# KiCad board AMC_FMC_Carrier-PcbDoc.kicad_pcb (continued)
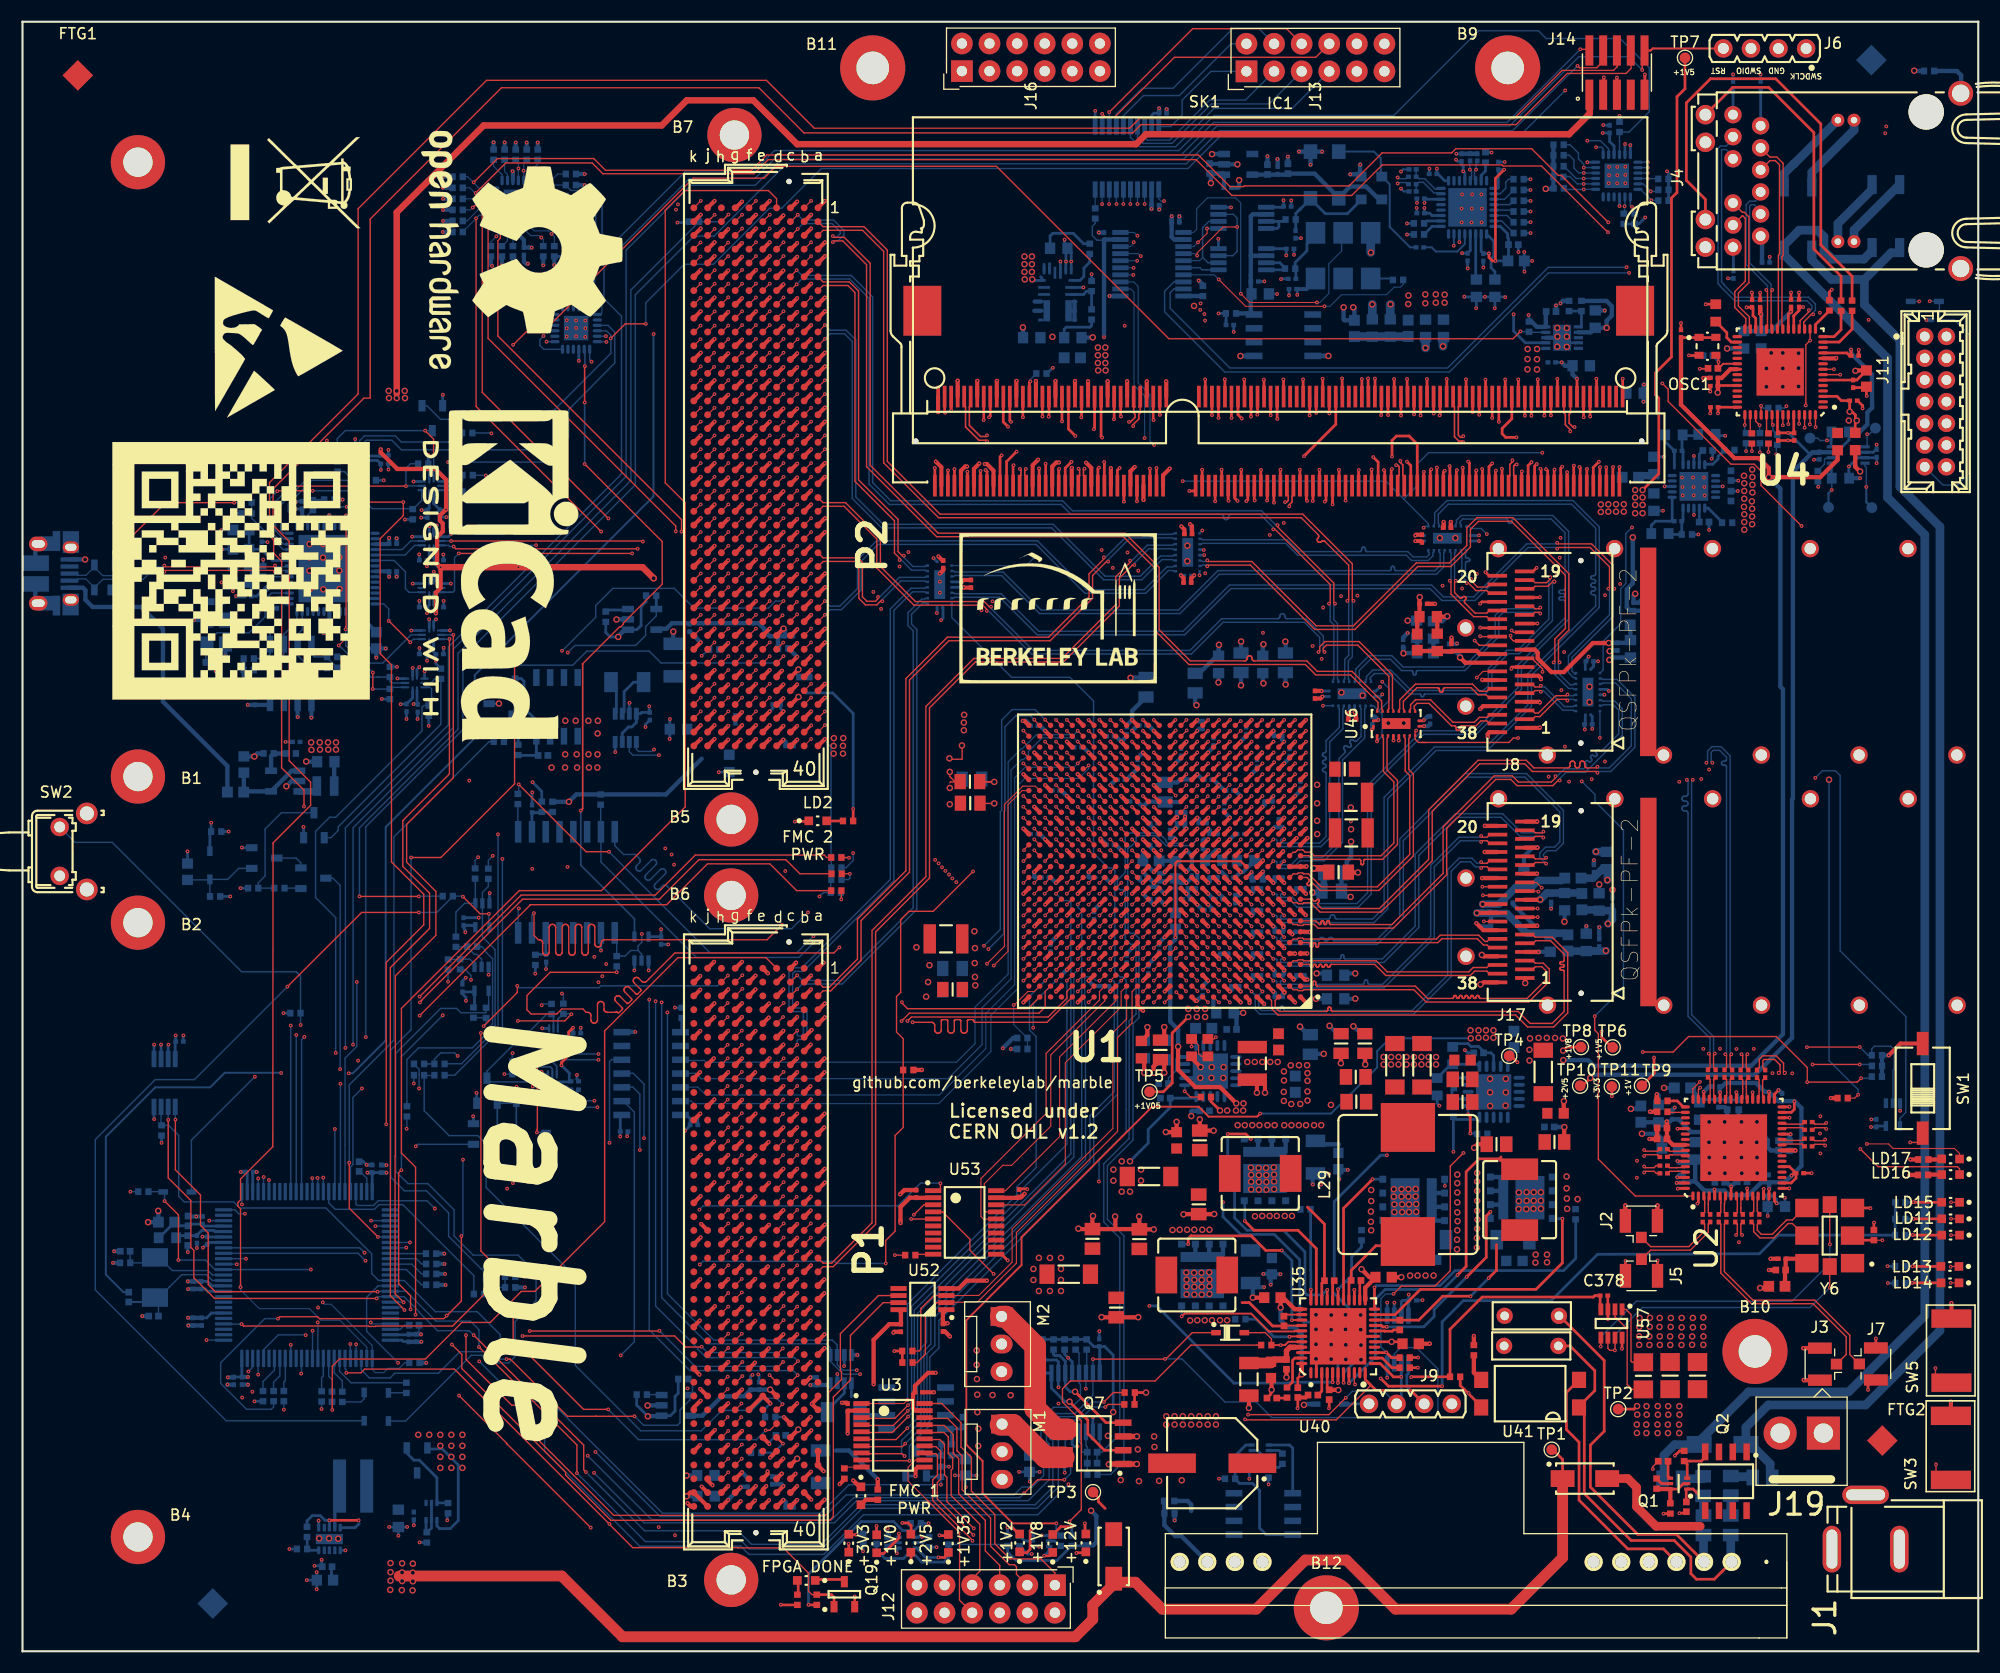
[diagram p0: board, top side]
## Routing (per net, layer and track width the routed paths; a pad name or vN(x,y) marks a point on that pad's centre or on a via; arc(x,y) is an arc through that point) (continued)
FMC2_HA15_N: length 58.5
  Top w0.11: U1.P25 v1(93.12,73.73)
  Top w0.112: P2.F17 v1(67.5,113.19)
  In9.Cu w0.1: v1(93.12,73.73) 92.76,74.09 92.01,74.09 92.01,74.09 89.91,74.09 85.37,78.63 84.9,78.63 77.13,86.39 77.13,111.26 74.72,113.68 67.99,113.68 v1(67.5,113.19)
FMC2_HA15_P: length 58.5
  Top w0.11: U1.R25 v1(93.12,74.73)
  Top w0.112: P2.F16 v1(67.5,114.46)
  In9.Cu w0.1: v1(67.5,114.46) 67.99,113.97 74.84,113.97 77.42,111.38 77.42,86.51 85.02,78.92 85.49,78.92 90.03,74.38 92.76,74.38 v1(93.12,74.73)
FMC2_HA16_N: length 59.1
  Top w0.11: U1.P26 92.13,72.74 v1(92.13,72.74)
  Top w0.112: P2.E16 v1(68.77,114.46)
  In7.Cu w0.1: v1(68.77,114.46) 69.26,114.95 70.22,114.95 70.57,114.6 70.57,112.78 70.9,112.45 73.92,112.45 74.29,112.08 74.29,106.29 79.4,101.18 79.4,99.4 81.07,97.74 81.07,88.6 81.72,87.94 81.72,78.33 86.98,73.07 88.14,73.07 88.15,73.09 88.49,73.09 88.51,73.07 91.8,73.07 v1(92.13,72.74)
FMC2_HA16_P: length 59.2
  Top w0.11: v1(92.17,73.74) 92.17,73.78 U1.R26
  Top w0.112: P2.E15 v1(68.77,115.73)
  In7.Cu w0.1: v1(68.77,115.73) 69.26,115.24 70.34,115.24 70.86,114.72 70.86,112.9 71.02,112.74 74.04,112.74 74.58,112.2 74.58,106.41 79.69,101.31 79.69,99.52 81.36,97.86 81.36,88.72 82.01,88.06 82.01,78.45 87.1,73.36 88.02,73.36 88.03,73.38 88.61,73.38 88.63,73.36 91.8,73.36 v1(92.17,73.74)
FMC2_HA17_CC_N: length 63.5
  Top w0.11: U1.R23 v1(95.12,74.73)
  Top w0.112: P2.K17 v1(62.42,113.19)
  In4.Cu w0.1: v1(62.42,113.19) 62.91,113.68 75.07,113.68 81.08,107.67 81.08,104.9 84.95,101.03 84.95,96.99 92.47,89.48 92.47,85.93 92.47,85.92 92.47,85.58 92.47,85.58 92.47,81.42 92.8,81.08 95.29,81.08 95.47,80.9 95.47,75.09 v1(95.12,74.73)
FMC2_HA17_CC_P: length 63.9
  Top w0.11: U1.R22 v1(96.12,74.73)
  Top w0.112: P2.K16 v1(62.42,114.46)
  In4.Cu w0.1: v1(96.12,74.73) 95.76,75.09 95.76,81.02 95.41,81.37 92.92,81.37 92.76,81.54 92.76,85.46 92.76,85.46 92.76,86.04 92.76,86.05 92.76,89.6 85.24,97.11 85.24,101.15 81.37,105.02 81.37,107.79 75.19,113.97 62.91,113.97 v1(62.42,114.46)
FMC2_HA18_N: length 68.3
  Top w0.11: 96.62,71.24 v1(96.12,70.74)
  Top w0.112: P2.J19 v1(63.69,110.65)
  In4.Cu w0.1: v1(63.69,110.65) 64.18,111.14 65.08,111.14 65.47,110.74 65.47,110.26 65.86,109.87 74.02,109.87 76.83,107.07 76.83,96.32 82.36,90.8 82.36,77.64 82.84,77.15 89.67,77.15 91.36,75.46 91.36,71.5 91.77,71.09 96.29,71.09 96.48,70.91 96.48,70.85 96.37,70.74 v1(96.12,70.74)
FMC2_HA18_P: length 68.8
  Top w0.11: 97.62,71.24 v1(97.12,70.74)
  Top w0.112: P2.J18 v1(63.69,111.92)
  In4.Cu w0.1: v1(63.69,111.92) 64.18,111.43 65.2,111.43 65.76,110.86 65.76,110.38 65.98,110.16 74.14,110.16 77.12,107.19 77.12,96.44 82.65,90.92 82.65,77.76 82.96,77.44 89.79,77.44 91.65,75.58 91.65,71.62 91.89,71.38 96.41,71.38 96.77,71.02 96.77,70.81 96.84,70.74 v1(97.12,70.74)
FMC2_HA19_N: length 65.3
  Top w0.11: U1.M20 v1(98.12,70.73)
  Top w0.112: P2.F20 v1(67.5,109.38)
  In7.Cu w0.1: v1(67.5,109.38) 67.99,109.87 72.88,109.87 73.07,109.67 73.07,104.08 73.55,103.6 75.28,103.6 78.29,100.59 78.29,98.71 79.95,97.05 79.95,96.26 79.53,95.84 79.53,87.98 80.47,87.04 80.47,77.91 82.51,75.87 82.51,74.83 83.9,73.44 84.34,73.44 86.69,71.09 98.29,71.09 98.29,71.09 98.29,70.91 v1(98.12,70.73)
FMC2_HA19_P: length 65.9
  Top w0.11: U1.N19 v1(99.12,71.73)
  Top w0.112: P2.F19 v1(67.5,110.65)
  In7.Cu w0.1: v1(99.12,71.73) 98.77,71.38 86.81,71.38 84.46,73.73 84.02,73.73 82.8,74.95 82.8,75.99 80.76,78.03 80.76,87.16 79.82,88.1 79.82,95.72 80.24,96.14 80.24,97.18 78.58,98.83 78.58,100.71 75.4,103.89 73.67,103.89 73.36,104.2 73.36,109.79 73,110.16 67.99,110.16 v1(67.5,110.65)
FMC2_HA20_N: length 58.2
  Top w0.11: U1.N23 v1(95.12,72.73)
  Top w0.112: P2.E19 v1(68.77,110.65)
  In9.Cu w0.1: v1(68.77,110.65) 69.26,111.14 74.97,111.14 75.88,110.23 75.88,86.16 88.96,73.09 91.95,73.09 91.96,73.09 92.3,73.09 92.3,73.09 94.76,73.09 v1(95.12,72.73)
FMC2_HA20_P: length 58.2
  Top w0.11: U1.P23 v1(95.12,73.73)
  Top w0.112: P2.E18 v1(68.77,111.92)
  In9.Cu w0.1: v1(95.12,73.73) 94.76,73.38 92.42,73.38 92.42,73.38 91.84,73.38 91.83,73.38 89.08,73.38 76.17,86.28 76.17,110.35 75.09,111.43 69.26,111.43 v1(68.77,111.92)
FMC2_HA21_N: length 63.2
  Top w0.11: 94.62,72.25 94.13,71.75
  Top w0.112: P2.K20 v1(62.42,109.38)
  In9.Cu w0.1: v1(62.42,109.38) 62.91,109.87 74.21,109.87 74.63,109.44 74.63,97.11 74.67,97.07 74.67,95.01 74.63,94.97 74.63,85.74 88.27,72.1 93.77,72.1 v1(94.12,71.75)
FMC2_HA21_P: length 63.2
  Top w0.11: v1(94.12,72.73) 94.62,73.23 94.62,73.25
  Top w0.112: P2.K19 v1(62.42,110.65)
  In9.Cu w0.1: v1(94.12,72.73) 93.77,72.39 88.39,72.39 74.92,85.86 74.92,94.85 74.96,94.89 74.96,97.19 74.92,97.23 74.92,109.56 74.33,110.16 62.91,110.16 v1(62.42,110.65)
FMC2_HA22_N: length 59.5
  Top w0.11: 92.61,71.21 v1(92.13,70.73) ; U1.M26 92.62,71.22
  Top w0.112: P2.J22 v1(63.69,106.84)
  In9.Cu w0.1: v1(63.69,106.84) 64.18,107.33 71.47,107.33 71.81,106.98 71.81,90.68 71.9,90.59 71.9,87.62 71.81,87.53 71.81,82.99 73.85,80.95 76.78,80.95 86.65,71.08 91.78,71.08 v1(92.13,70.73)
FMC2_HA22_P: length 59.5
  Top w0.11: 92.62,72.21 v1(92.15,71.75) ; U1.N26 92.61,72.23
  Top w0.112: P2.J21 v1(63.69,108.11)
  In9.Cu w0.1: v1(63.69,108.11) 64.18,107.62 71.59,107.62 72.1,107.1 72.1,90.8 72.19,90.71 72.19,87.5 72.1,87.41 72.1,83.11 73.97,81.24 76.9,81.24 86.77,71.37 91.78,71.37 v1(92.15,71.75)
FMC2_HA23_N: length 61.7
  Top w0.11: v1(93.12,69.73) 93.12,69.73 U1.L25
  Top w0.112: P2.K23 v1(62.42,105.57)
  In9.Cu w0.1: v1(62.42,105.57) 62.91,106.06 70.42,106.06 70.57,105.9 70.57,81.73 73.01,79.29 76.03,79.29 85.23,70.09 92.76,70.09 v1(93.12,69.73)
FMC2_HA23_P: length 61.7
  Top w0.11: v1(93.12,70.73) 93.12,70.73 U1.M25
  Top w0.112: P2.K22 v1(62.42,106.84)
  In9.Cu w0.1: v1(93.12,70.73) 92.76,70.38 85.35,70.38 76.15,79.58 73.13,79.58 70.86,81.85 70.86,106.02 70.54,106.35 62.91,106.35 v1(62.42,106.84)
FMC2_HB00_CC_N: length 0.9
  Top w0.112: P2.K26 v1(62.42,101.76)
FMC2_HB00_CC_P: length 0.9
  Top w0.112: P2.K25 v1(62.42,103.03)
FMC2_HB01_N: length 0.9
  Top w0.112: P2.J25 v1(63.69,103.03)
FMC2_HB01_P: length 0.9
  Top w0.112: P2.J24 v1(63.69,104.3)
FMC2_HB02_N: length 0.9
  Top w0.112: P2.F23 v1(67.5,105.57)
FMC2_HB02_P: length 0.9
  Top w0.112: P2.F22 v1(67.5,106.84)
FMC2_HB03_N: length 0.9
  Top w0.112: P2.E22 v1(68.77,106.84)
FMC2_HB03_P: length 0.9
  Top w0.112: P2.E21 v1(68.77,108.11)
FMC2_HB04_N: length 0.9
  Top w0.112: P2.F26 v1(67.5,101.76)
FMC2_HB04_P: length 0.9
  Top w0.112: P2.F25 v1(67.5,103.03)
FMC2_HB05_N: length 0.9
  Top w0.112: P2.E25 v1(68.77,103.03)
FMC2_HB05_P: length 0.9
  Top w0.112: P2.E24 v1(68.77,104.3)
FMC2_HB06_CC_N: length 0.9
  Top w0.112: P2.K29 v1(62.42,97.95)
FMC2_HB06_CC_P: length 0.9
  Top w0.112: P2.K28 v1(62.42,99.22)
FMC2_HB07_N: length 0.9
  Top w0.112: P2.J28 v1(63.69,99.22)
FMC2_HB07_P: length 0.9
  Top w0.112: P2.J27 v1(63.69,100.49)
FMC2_HB08_N: length 0.9
  Top w0.112: P2.F29 v1(67.5,97.95)
FMC2_HB08_P: length 0.9
  Top w0.112: P2.F28 v1(67.5,99.22)
FMC2_HB09_N: length 0.9
  Top w0.112: P2.E28 v1(68.77,99.22)
FMC2_HB09_P: length 0.9
  Top w0.112: P2.E27 v1(68.77,100.49)
FMC2_HB10_N: length 0.9
  Top w0.112: P2.K32 v1(62.42,94.14)
FMC2_HB10_P: length 0.9
  Top w0.112: P2.K31 v1(62.42,95.41)
FMC2_HB11_N: length 0.9
  Top w0.112: P2.J31 v1(63.69,95.41)
FMC2_HB11_P: length 0.9
  Top w0.112: P2.J30 v1(63.69,96.68)
FMC2_HB12_N: length 0.9
  Top w0.112: P2.F32 v1(67.5,94.14)
FMC2_HB12_P: length 0.9
  Top w0.112: P2.F31 v1(67.5,95.41)
FMC2_HB13_N: length 0.9
  Top w0.112: P2.E31 v1(68.77,95.41)
FMC2_HB13_P: length 0.9
  Top w0.112: P2.E30 v1(68.77,96.68)
FMC2_HB15_N: length 0.9
  Top w0.112: P2.J34 v1(63.69,91.6)
FMC2_HB15_P: length 0.9
  Top w0.112: P2.J33 v1(63.69,92.87)
FMC2_HB16_N: length 0.9
  Top w0.112: P2.F35 v1(67.5,90.33)
FMC2_HB16_P: length 0.9
  Top w0.112: P2.F34 v1(67.5,91.6)
FMC2_HB17_CC_N: length 0.9
  Top w0.112: P2.K38 v1(62.42,86.52)
FMC2_HB17_CC_P: length 0.9
  Top w0.112: P2.K37 v1(62.42,87.79)
FMC2_HB18_N: length 0.9
  Top w0.112: P2.J37 v1(63.69,87.79)
FMC2_HB18_P: length 0.9
  Top w0.112: P2.J36 v1(63.69,89.06)
FMC2_HB19_N: length 0.9
  Top w0.112: P2.E34 v1(68.77,91.6)
FMC2_HB19_P: length 0.9
  Top w0.112: P2.E33 v1(68.77,92.87)
FMC2_HB20_N: length 0.9
  Top w0.112: P2.F38 v1(67.5,86.52)
FMC2_HB20_P: length 0.9
  Top w0.112: P2.F37 v1(67.5,87.79)
FMC2_HB21_N: length 0.9
  Top w0.112: P2.E37 v1(68.77,87.79)
FMC2_HB21_P: length 0.9
  Top w0.112: P2.E36 v1(68.77,89.06)
FMC2_LA_0_N: length 74
  Top w0.11: U1.AA22 v1(96.12,80.73)
  Top w0.112: P2.G7 v1(66.23,125.89)
  In2.Cu w0.1: v1(96.12,80.73) 96.47,80.38 97.29,80.38 97.47,80.56 97.47,87.26 92.07,92.67 92.07,102.25 92.78,102.96 92.78,110.27 93.21,110.7 93.21,113.71 92.05,114.87 92.05,119.11 84.78,126.38 66.72,126.38 v1(66.23,125.89)
FMC2_LA_0_P: length 74.9
  Top w0.11: U1.Y22 v1(96.12,79.73)
  Top w0.112: P2.G6 v1(66.23,127.16)
  In2.Cu w0.1: v1(96.12,79.73) 96.47,80.09 97.41,80.09 97.76,80.44 97.76,87.38 92.36,92.79 92.36,102.13 93.07,102.84 93.07,110.15 93.5,110.58 93.5,113.83 92.34,114.99 92.34,119.23 84.9,126.67 66.72,126.67 v1(66.23,127.16)
FMC2_LA_1_N: length 67.1
  Top w0.11: U1.AB24 v1(94.12,81.73)
  Top w0.112: P2.D9 v1(70.04,123.35)
  In2.Cu w0.1: v1(94.12,81.73) 94.48,81.37 96.29,81.37 96.47,81.55 96.47,86.82 90.87,92.43 90.87,108.12 90.47,108.53 90.47,111.37 91.37,112.27 91.37,113.98 90.46,114.89 90.46,118.35 84.97,123.84 70.53,123.84 v1(70.04,123.35)
FMC2_LA_1_P: length 67.6
  Top w0.11: U1.AA23 v1(95.12,80.73)
  Top w0.112: P2.D8 v1(70.04,124.62)
  In2.Cu w0.1: v1(95.12,80.73) 94.91,80.94 94.91,81.05 94.94,81.08 96.41,81.08 96.76,81.43 96.76,86.94 91.16,92.55 91.16,108.24 90.76,108.65 90.76,111.25 91.66,112.15 91.66,114.1 90.75,115.01 90.75,118.47 85.09,124.13 70.53,124.13 v1(70.04,124.62)
FMC2_LA_2_N: length 66.7
  Top w0.11: U1.AF22 v1(96.12,85.73)
  Top w0.112: P2.H8 64.32,124 v1(64.95,124.63)
  In2.Cu w0.1: v1(96.12,85.73) 96.12,85.42 96.07,85.38 95.95,85.38 95.76,85.56 95.76,86.58 90.07,92.28 90.07,95.44 90.26,95.63 90.26,96.66 90.07,96.85 90.07,108.12 89.6,108.58 89.6,116.03 88.97,116.66 88.97,117.63 83.71,122.88 69.78,122.88 69.52,123.14 69.52,123.77 69.22,124.07 64.58,124.07 64.43,124.23 64.43,124.86 64.68,125.11 64.72,125.11 64.95,124.88 v1(64.95,124.63)
FMC2_LA_2_P: length 67.4
  Top w0.11: U1.AE22 v1(96.12,84.73)
  Top w0.112: P2.H7 v1(64.96,125.89)
  In2.Cu w0.1: v1(96.12,84.73) 95.47,85.38 95.47,86.46 89.78,92.16 89.78,95.56 89.97,95.75 89.97,96.54 89.78,96.73 89.78,108 89.31,108.46 89.31,115.91 88.68,116.54 88.68,117.51 83.59,122.59 69.66,122.59 69.23,123.02 69.23,123.65 69.1,123.78 64.46,123.78 64.14,124.11 64.14,125.07 v1(64.96,125.89)
FMC2_LA_3_N: length 60
  Top w0.11: 92.61,84.25 v1(92.11,84.75)
  Top w0.112: P2.G10 v1(66.23,122.08)
  In2.Cu w0.1: v1(92.11,84.75) 92.11,84.48 92.2,84.39 92.56,84.39 92.71,84.55 92.71,85.13 92.45,85.4 92.45,86.3 86.71,92.04 86.71,97.07 87.14,97.5 87.14,105.47 86.19,106.42 86.19,114.81 81.03,119.97 70.99,119.97 70.51,120.45 70.51,121.04 70.2,121.35 68.23,121.35 67.95,121.64 67.95,122.29 67.67,122.57 66.72,122.57 v1(66.23,122.08)
FMC2_LA_3_P: length 61
  Top w0.11: 92.61,83.23 v1(92.11,83.73)
  Top w0.112: P2.G9 v1(66.23,123.35)
  In2.Cu w0.1: v1(66.23,123.35) 66.72,122.86 67.79,122.86 68.24,122.41 68.24,121.76 68.35,121.64 70.32,121.64 70.81,121.16 70.81,120.57 71.11,120.26 81.15,120.26 86.48,114.93 86.48,106.54 87.43,105.59 87.43,97.38 87,96.95 87,92.16 92.74,86.42 92.74,85.52 93,85.25 93,84.43 92.68,84.1 92.2,84.1 92.11,84.01 v1(92.11,83.73)
FMC2_LA_4_N: length 73
  Top w0.11: U1.W21 97.12,78.73 v1(97.12,78.73)
  Top w0.112: P2.H11 64.34,120.17 v1(64.95,120.78)
  In9.Cu w0.1: v1(64.95,120.78) 64.95,121.17 64.86,121.26 64.57,121.26 64.16,121.67 64.16,123.53 64.81,124.18 77.1,124.18 83.83,117.45 83.83,113.58 85.18,112.23 85.18,110.59 86.48,109.3 86.48,104.35 87.45,103.38 87.45,95.82 95.76,87.51 95.76,78.58 95.97,78.38 96.76,78.38 v1(97.12,78.73)
FMC2_LA_4_P: length 72
  Top w0.11: U1.V21 97.12,77.73 v1(97.12,77.73)
  Top w0.112: v1(64.95,122.03) 64.36,121.44 P2.H10
  In9.Cu w0.1: v1(64.95,122.03) 64.95,121.65 64.85,121.55 64.69,121.55 64.45,121.79 64.45,123.4 64.93,123.89 76.98,123.89 83.54,117.33 83.54,113.46 84.89,112.11 84.89,110.47 86.19,109.18 86.19,104.23 87.16,103.26 87.16,95.7 95.47,87.39 95.47,78.46 95.85,78.09 96.76,78.09 v1(97.12,77.73)
FMC2_LA_5_N: length 59.7
  Top w0.11: 92.61,82.24 92.6,82.24 v1(92.11,82.73)
  Top w0.112: v1(70.04,119.54) P2.D12 69.4,118.93
  In9.Cu w0.1: v1(92.11,82.73) 92.11,82.45 92.19,82.38 93.35,82.38 93.48,82.5 93.48,86.25 92.68,87.05 87.17,87.05 85.36,88.86 85.36,94.85 84.98,95.23 84.98,101.96 83.16,103.78 83.16,109.59 83.66,110.08 83.66,111.96 82.26,113.36 82.26,116.79 79.03,120.03 70.53,120.03 v1(70.04,119.54)
FMC2_LA_5_P: length 60.6
  Top w0.11: 92.61,81.23 v1(92.11,81.73)
  Top w0.112: P2.D11 v1(70.04,120.81)
  In9.Cu w0.1: v1(70.04,120.81) 70.53,120.32 79.15,120.32 82.55,116.91 82.55,113.48 83.95,112.08 83.95,109.96 83.45,109.47 83.45,103.9 85.27,102.08 85.27,95.35 85.65,94.97 85.65,88.98 87.29,87.34 92.8,87.34 93.77,86.37 93.77,82.38 93.47,82.09 92.19,82.09 92.11,82.01 v1(92.11,81.73)
FMC2_LA_6_N: length 56.9
  Top w0.11: U1.AD24 v1(94.12,83.73)
  Top w0.112: 70.7,120.15 v1(71.33,120.78)
  In2.Cu w0.1: v1(94.12,83.73) 94.47,84.09 94.47,86 88.48,91.99 88.48,94.45 87.58,95.35 87.58,96.32 88.48,97.22 88.48,107.3 87.39,108.39 87.39,115.84 87.1,116.14 87.1,117.56 83.39,121.27 71.82,121.27 v1(71.33,120.78)
FMC2_LA_6_P: length 57.4
  Top w0.11: U1.AD23 v1(95.12,83.73)
  Top w0.112: 70.7,121.42 v1(71.33,122.05)
  In2.Cu w0.1: v1(95.12,83.73) 94.76,84.09 94.76,86.12 88.77,92.11 88.77,94.57 87.87,95.47 87.87,96.2 88.77,97.1 88.77,107.42 87.68,108.51 87.68,115.96 87.39,116.26 87.39,117.68 83.51,121.56 71.82,121.56 v1(71.33,122.05)
FMC2_LA_7_N: length 67.1
  Top w0.11: U1.AC22 v1(96.12,82.73)
  Top w0.112: P2.H14 v1(64.96,117)
  In2.Cu w0.1: v1(64.96,117) 64.96,117.35 64.84,117.47 64.43,117.47 64.11,117.79 64.11,118.57 64.61,119.06 65.46,119.06 65.79,118.73 65.79,118.08 66.12,117.75 78.09,117.75 83.85,111.99 83.85,110.33 83.29,109.77 83.29,104.5 85.18,102.6 85.18,85.13 86.08,84.22 88.56,84.22 90.41,82.38 95.76,82.38 v1(96.12,82.73)
FMC2_LA_7_P: length 66.1
  Top w0.11: U1.AB22 v1(96.12,81.73)
  Top w0.112: P2.H13 64.35,117.63 v1(64.95,118.23)
  In2.Cu w0.1: v1(64.95,118.23) 64.95,117.89 64.82,117.76 64.55,117.76 64.4,117.91 64.4,118.45 64.73,118.77 65.34,118.77 65.5,118.61 65.5,117.96 66,117.46 77.97,117.46 83.56,111.87 83.56,110.45 83,109.89 83,104.38 84.89,102.48 84.89,85.01 85.96,83.93 88.44,83.93 90.29,82.09 95.76,82.09 v1(96.12,81.73)
FMC2_LA_8_N: length 59.1
  Top w0.11: U1.AC24 v1(94.12,82.73)
  Top w0.112: P2.G13 v1(66.23,118.27)
  In2.Cu w0.1: v1(94.12,82.73) 94.42,82.73 94.47,82.78 94.47,82.88 94.27,83.09 90.52,83.09 87.9,85.71 87.9,86.41 85.74,88.56 85.74,103.52 84.47,104.79 84.47,112.55 78.27,118.76 66.72,118.76 v1(66.23,118.27)
FMC2_LA_8_P: length 59.6
  Top w0.11: U1.AC23 v1(95.12,82.73)
  Top w0.112: P2.G12 v1(66.23,119.54)
  In2.Cu w0.1: v1(95.12,82.73) 94.82,82.73 94.76,82.78 94.76,83 94.39,83.38 90.64,83.38 88.19,85.83 88.19,86.53 86.03,88.68 86.03,103.64 84.76,104.91 84.76,112.67 78.39,119.05 66.72,119.05 v1(66.23,119.54)
FMC2_LA_9_N: length 57
  Top w0.11: 92.61,77.24 v1(92.11,77.74)
  Top w0.112: P2.D15 v1(70.04,115.73)
  In9.Cu w0.1: v1(92.11,77.74) 91.75,77.38 89.21,77.38 86.19,80.4 85.14,80.4 80.25,85.28 80.25,97.93 78.6,99.58 78.6,112.77 76.14,115.23 69.69,115.23 69.47,115.44 69.47,116.14 69.55,116.22 69.94,116.22 70.04,116.12 v1(70.04,115.73)
FMC2_LA_9_P: length 57.8
  Top w0.11: v1(92.11,76.73) 92.61,76.23 92.61,76.22
  Top w0.112: P2.D14 v1(70.04,117)
  In9.Cu w0.1: v1(70.04,117) 69.79,117 69.18,116.39 69.18,115.32 69.57,114.94 76.02,114.94 78.31,112.65 78.31,99.46 79.96,97.81 79.96,85.16 85.02,80.11 86.07,80.11 89.45,76.73 v1(92.11,76.73)
FMC2_LA_10_N: length 47
  Top w0.11: U1.AF23 v1(95.12,85.73)
  Top w0.112: P2.C15 v1(71.31,115.73)
  In4.Cu w0.1: v1(71.31,115.73) 71.31,116.16 71.25,116.22 70.83,116.22 70.71,116.09 70.71,115.33 70.75,115.29 75.3,115.29 82.69,107.9 82.69,106.86 87.47,102.08 87.47,101.18 90.87,97.78 90.87,95.09 93.76,92.2 93.76,86.04 93.76,85.6 93.99,85.38 94.76,85.38 v1(95.12,85.73)
FMC2_LA_10_P: length 48
  Top w0.11: U1.AE23 v1(95.12,84.73)
  Top w0.112: P2.C14 v1(71.31,117)
  In4.Cu w0.1: v1(95.12,84.73) 94.76,85.09 93.87,85.09 93.47,85.48 93.47,85.58 93.47,85.58 93.47,85.92 93.47,92.08 90.58,94.97 90.58,97.66 87.18,101.06 87.18,101.96 82.4,106.74 82.4,107.78 75.18,115 70.63,115 70.42,115.21 70.42,116.21 70.71,116.51 71.24,116.51 71.31,116.57 v1(71.31,117)
FMC2_LA_11_N: length 62.3
  Top w0.11: U1.W24 94.12,78.73 v1(94.12,78.73)
  Top w0.112: P2.H17 v1(64.96,113.19)
  In2.Cu w0.1: v1(94.12,78.73) 94.47,79.09 94.47,79.93 94.34,80.06 94.31,80.06 94.29,80.08 93.55,80.08 92.64,79.17 87.63,79.17 86.7,80.1 83.98,80.1 82.71,81.37 82.71,88.33 81.97,89.07 81.97,101.62 80.6,102.99 80.6,108.89 75.81,113.68 65.45,113.68 v1(64.96,113.19)
FMC2_LA_11_P: length 62.8
  Top w0.11: v1(95.12,78.73) 95.12,78.73 U1.W23
  Top w0.112: P2.H16 v1(64.96,114.46)
  In2.Cu w0.1: v1(95.12,78.73) 94.76,79.09 94.76,80.05 94.46,80.35 94.43,80.35 94.41,80.37 93.43,80.37 92.52,79.46 87.75,79.46 86.82,80.39 84.1,80.39 83,81.49 83,88.45 82.26,89.19 82.26,101.74 80.89,103.11 80.89,109.01 75.93,113.97 65.45,113.97 v1(64.96,114.46)
FMC2_LA_12_N: length 61.2
  Top w0.11: U1.AB25 v1(93.12,81.73)
  Top w0.112: P2.G16 v1(66.23,114.46)
  In2.Cu w0.1: v1(66.23,114.46) 66.23,114.84 66.12,114.95 65.81,114.95 65.44,115.32 65.44,116.14 65.79,116.49 75.01,116.49 82.07,109.43 82.07,103.7 83.3,102.46 83.3,89.99 84.04,89.26 84.04,82.33 84.65,81.72 86.51,81.72 86.85,81.38 93,81.38 93.12,81.49 v1(93.12,81.73)
FMC2_LA_12_P: length 60.2
  Top w0.11: U1.AA25 v1(93.12,80.73)
  Top w0.112: P2.G15 v1(66.23,115.73)
  In2.Cu w0.1: v1(66.23,115.73) 66.23,115.32 66.14,115.24 65.93,115.24 65.72,115.44 65.72,116.02 65.91,116.2 74.89,116.2 81.78,109.31 81.78,103.58 83.01,102.34 83.01,89.87 83.75,89.14 83.75,82.21 84.53,81.43 86.39,81.43 86.73,81.09 93,81.09 93.12,80.97 v1(93.12,80.73)
FMC2_LA_13_N: length 56.9
  Top w0.11: U1.V24 94.12,77.73 v1(94.12,77.74)
  Top w0.112: P2.D18 v1(70.04,111.92)
  In2.Cu w0.1: v1(94.12,77.74) 94.42,77.74 94.47,77.8 94.47,77.94 94.32,78.09 90.87,78.09 89.99,77.21 87.93,77.21 86.52,78.63 83.75,78.63 81.6,80.77 81.6,87.9 80.95,88.55 80.95,97.94 79.32,99.57 79.32,108.86 75.77,112.41 70.53,112.41 v1(70.04,111.92)
FMC2_LA_13_P: length 57.4
  Top w0.11: v1(95.12,77.74) 95.12,77.73 U1.V23
  Top w0.112: P2.D17 v1(70.04,113.19)
  In2.Cu w0.1: v1(70.04,113.19) 70.53,112.7 75.89,112.7 79.61,108.98 79.61,99.69 81.24,98.06 81.24,88.67 81.89,88.02 81.89,80.89 83.87,78.92 86.64,78.92 88.05,77.5 89.87,77.5 90.75,78.38 94.44,78.38 94.76,78.06 94.76,77.8 94.83,77.74 v1(95.12,77.74)
FMC2_LA_14_N: length 53.7
  Top w0.11: U1.U25 v1(93.12,76.73)
  Top w0.112: P2.C19 v1(71.31,110.65)
  In2.Cu w0.1: v1(93.12,76.73) 92.77,77.08 91.31,77.08 90.64,76.42 85.99,76.42 85.47,76.93 83.47,76.93 80.43,79.98 80.43,87.52 79.98,87.96 79.98,97.31 78.33,98.97 78.33,108.16 75.35,111.14 71.8,111.14 v1(71.31,110.65)
FMC2_LA_14_P: length 55
  Top w0.11: U1.U24 v1(94.12,76.73)
  Top w0.112: P2.C18 v1(71.31,111.92)
  In2.Cu w0.1: v1(94.12,76.73) 93.83,76.73 93.76,76.79 93.76,77.05 93.45,77.37 91.19,77.37 90.52,76.71 86.11,76.71 85.59,77.22 83.59,77.22 80.72,80.1 80.72,87.64 80.27,88.08 80.27,97.43 78.62,99.09 78.62,108.28 75.47,111.43 71.8,111.43 v1(71.31,111.92)
FMC2_LA_15_N: length 67.8
  Top w0.11: U1.V22 v1(96.12,77.73)
  Top w0.112: P2.H20 v1(64.96,109.38)
  In2.Cu w0.1: v1(64.96,109.38) 64.96,109.72 64.81,109.87 64.31,109.87 64.04,110.14 64.04,110.47 64.04,110.48 64.04,110.81 64.04,110.82 64.04,110.98 64.5,111.44 69.11,111.44 69.59,110.96 69.59,110.5 69.92,110.17 75.3,110.17 77.64,107.83 77.64,88.83 79.7,86.77 79.7,79.5 83.6,75.59 90.86,75.59 91.64,76.38 94.29,76.38 94.47,76.56 94.47,77 94.84,77.38 95.76,77.38 v1(96.12,77.73)
FMC2_LA_15_P: length 66.9
  Top w0.11: U1.U22 v1(96.12,76.73)
  Top w0.112: P2.H19 v1(64.96,110.65)
  In2.Cu w0.1: v1(96.12,76.73) 95.76,77.09 94.97,77.09 94.76,76.88 94.76,76.44 94.41,76.09 91.76,76.09 90.98,75.3 83.48,75.3 79.41,79.38 79.41,86.65 77.35,88.71 77.35,107.71 75.18,109.88 69.8,109.88 69.3,110.38 69.3,110.84 68.99,111.15 64.62,111.15 64.33,110.86 64.33,110.36 64.33,110.35 64.33,110.26 64.43,110.16 64.85,110.16 64.96,110.26 v1(64.96,110.65)
FMC2_LA_16_N: length 52.4
  Top w0.11: 92.61,78.23 92.61,78.23 v1(92.11,78.73)
  Top w0.112: P2.G19 v1(66.23,110.65)
  In4.Cu w0.1: v1(92.11,78.73) 92.38,78.73 92.47,78.82 92.47,79.11 92.39,79.2 88.48,79.2 87.9,79.77 87.9,89.44 80.6,96.75 80.6,97.82 79.03,99.39 79.03,106.35 74.24,111.14 66.72,111.14 v1(66.23,110.65)
FMC2_LA_16_P: length 52.9
  Top w0.11: 93.61,78.23 93.61,78.23 v1(93.11,78.73)
  Top w0.112: P2.G18 v1(66.23,111.92)
  In4.Cu w0.1: v1(66.23,111.92) 66.72,111.43 74.36,111.43 79.32,106.47 79.32,99.51 80.89,97.94 80.89,96.87 88.19,89.56 88.19,79.89 88.6,79.49 92.51,79.49 92.76,79.24 92.76,78.82 92.84,78.73 v1(93.11,78.73)
FMC2_LA_17_N: length 64
  Top w0.11: U1.F23 v1(95.12,64.73)
  Top w0.112: P2.D21 v1(70.04,108.11)
  In4.Cu w0.1: v1(70.04,108.11) 70.53,108.6 73.94,108.6 75.53,107 75.53,94.49 81.12,88.91 81.12,76.57 81.62,76.07 87.8,76.07 90.35,73.52 90.35,67.34 91.6,66.09 93.31,66.09 94.27,66.08 94.47,65.89 94.47,65.44 94.82,65.08 95.3,65.08 95.34,65.04 95.34,64.95 v1(95.12,64.73)
FMC2_LA_17_P: length 64.5
  Top w0.11: U1.G22 v1(96.12,65.73)
  Top w0.112: P2.D20 v1(70.04,109.38)
  In4.Cu w0.1: v1(96.12,65.73) 95.76,65.37 94.94,65.37 94.76,65.56 94.76,66.01 94.39,66.37 93.43,66.37 91.72,66.38 90.64,67.46 90.64,73.64 87.92,76.36 81.74,76.36 81.41,76.69 81.41,89.03 75.82,94.61 75.82,107.12 74.06,108.89 70.53,108.89 v1(70.04,109.38)
FMC2_LA_18_N: length 59.4
  Top w0.11: U1.F24 v1(94.12,64.73)
  Top w0.112: P2.C23 v1(71.31,105.57)
  In4.Cu w0.1: v1(94.12,64.73) 93.76,65.09 90.85,65.09 89.15,66.78 89.15,72.94 87.32,74.78 81.11,74.78 79.84,76.05 79.84,87.01 74.4,92.45 74.4,105.5 73.85,106.06 71.8,106.06 v1(71.31,105.57)
FMC2_LA_18_P: length 59.4
  Top w0.11: v1(94.12,65.73) 94.12,65.73 U1.G24
  Top w0.112: P2.C22 v1(71.31,106.84)
  In4.Cu w0.1: v1(71.31,106.84) 71.8,106.35 73.97,106.35 74.69,105.62 74.69,92.57 80.13,87.13 80.13,76.17 81.23,75.07 87.44,75.07 89.44,73.06 89.44,66.9 90.97,65.38 93.76,65.38 v1(94.12,65.73)
FMC2_LA_19_N: length 64.5
  Top w0.11: U1.J23 v1(95.12,67.73)
  Top w0.112: P2.H23 v1(64.96,105.57)
  In2.Cu w0.1: v1(64.96,105.57) 65.45,106.06 73.77,106.06 74.39,105.44 74.39,86.46 76.25,84.6 76.25,80.41 75.41,79.57 75.41,77.17 78.11,74.47 78.87,74.47 85.25,68.09 94.76,68.09 v1(95.12,67.73)
FMC2_LA_19_P: length 64.5
  Top w0.11: U1.K23 v1(95.12,68.73)
  Top w0.112: P2.H22 v1(64.96,106.84)
  In2.Cu w0.1: v1(64.96,106.84) 65.45,106.35 73.89,106.35 74.68,105.56 74.68,86.58 76.54,84.72 76.54,80.29 75.7,79.45 75.7,77.29 78.23,74.76 78.99,74.76 85.37,68.38 94.76,68.38 v1(95.12,68.73)
FMC2_LA_20_N: length 63.1
  Top w0.11: v1(96.12,68.73) 96.12,68.73 U1.K22
  Top w0.112: P2.G22 v1(66.23,106.84)
  In2.Cu w0.1: v1(66.23,106.84) 66.72,107.33 74.11,107.33 75.31,106.13 75.31,87.32 77.33,85.29 77.33,77.82 86.06,69.09 95.76,69.09 v1(96.12,68.73)
FMC2_LA_20_P: length 63.1
  Top w0.11: U1.L22 96.12,69.73 v1(96.12,69.73)
  Top w0.112: P2.G21 v1(66.23,108.11)
  In2.Cu w0.1: v1(96.12,69.73) 95.76,69.38 86.18,69.38 77.62,77.94 77.62,85.41 75.6,87.44 75.6,106.25 74.23,107.62 66.72,107.62 v1(66.23,108.11)
FMC2_LA_21_N: length 62
  Top w0.11: U1.H22 v1(96.12,66.73)
  Top w0.112: P2.H26 v1(64.96,101.76)
  In7.Cu w0.1: v1(64.96,101.76) 65.45,102.25 73.85,102.25 77.41,98.69 77.41,88.12 79.23,86.31 79.23,77.41 81.45,75.19 81.45,74.23 85.59,70.09 91.81,70.09 91.82,70.09 91.83,70.09 91.84,70.09 94.41,70.09 94.41,70.09 94.83,70.09 94.83,70.09 95.41,70.09 95.41,70.09 96.27,70.09 96.47,69.89 96.47,67.08 v1(96.12,66.73)
FMC2_LA_21_P: length 61.9
  Top w0.11: U1.J21 v1(97.12,67.73)
  Top w0.112: P2.H25 v1(64.96,103.03)
  In7.Cu w0.1: v1(64.96,103.03) 65.45,102.54 73.97,102.54 77.7,98.81 77.7,88.24 79.52,86.43 79.52,77.53 81.74,75.31 81.74,74.35 85.71,70.38 91.69,70.38 91.7,70.38 91.95,70.38 91.96,70.38 94.29,70.38 94.29,70.38 94.95,70.38 94.95,70.38 95.29,70.38 95.29,70.38 96.39,70.38 96.76,70.01 96.76,67.61 96.85,67.52 96.91,67.52 v1(97.12,67.73)
FMC2_LA_22_N: length 64.9
  Top w0.11: U1.D25 v1(93.12,62.73)
  Top w0.112: P2.G25 v1(66.23,103.03)
  In2.Cu w0.1: v1(66.23,103.03) 66.23,103.41 66.33,103.52 66.71,103.52 66.77,103.46 66.77,84.87 67.11,84.53 69.06,84.53 69.27,84.32 69.27,83.51 70.43,82.34 70.43,73.19 79.16,64.47 79.16,64.13 82.52,60.76 84.24,60.76 84.58,60.43 88.07,60.43 90.73,63.09 92.76,63.09 v1(93.12,62.73)
FMC2_LA_22_P: length 64.9
  Top w0.11: U1.E25 v1(93.12,63.73)
  Top w0.112: P2.G24 v1(66.23,104.3)
  In2.Cu w0.1: v1(66.23,104.3) 66.23,103.9 66.33,103.81 66.83,103.81 67.06,103.58 67.06,84.99 67.23,84.82 69.18,84.82 69.56,84.44 69.56,83.63 70.72,82.46 70.72,73.31 79.45,64.59 79.45,64.25 82.64,61.05 84.36,61.05 84.7,60.72 87.95,60.72 90.61,63.38 92.76,63.38 v1(93.12,63.73)
